# Allegro board TNR_REV00_150306.brd (continued)
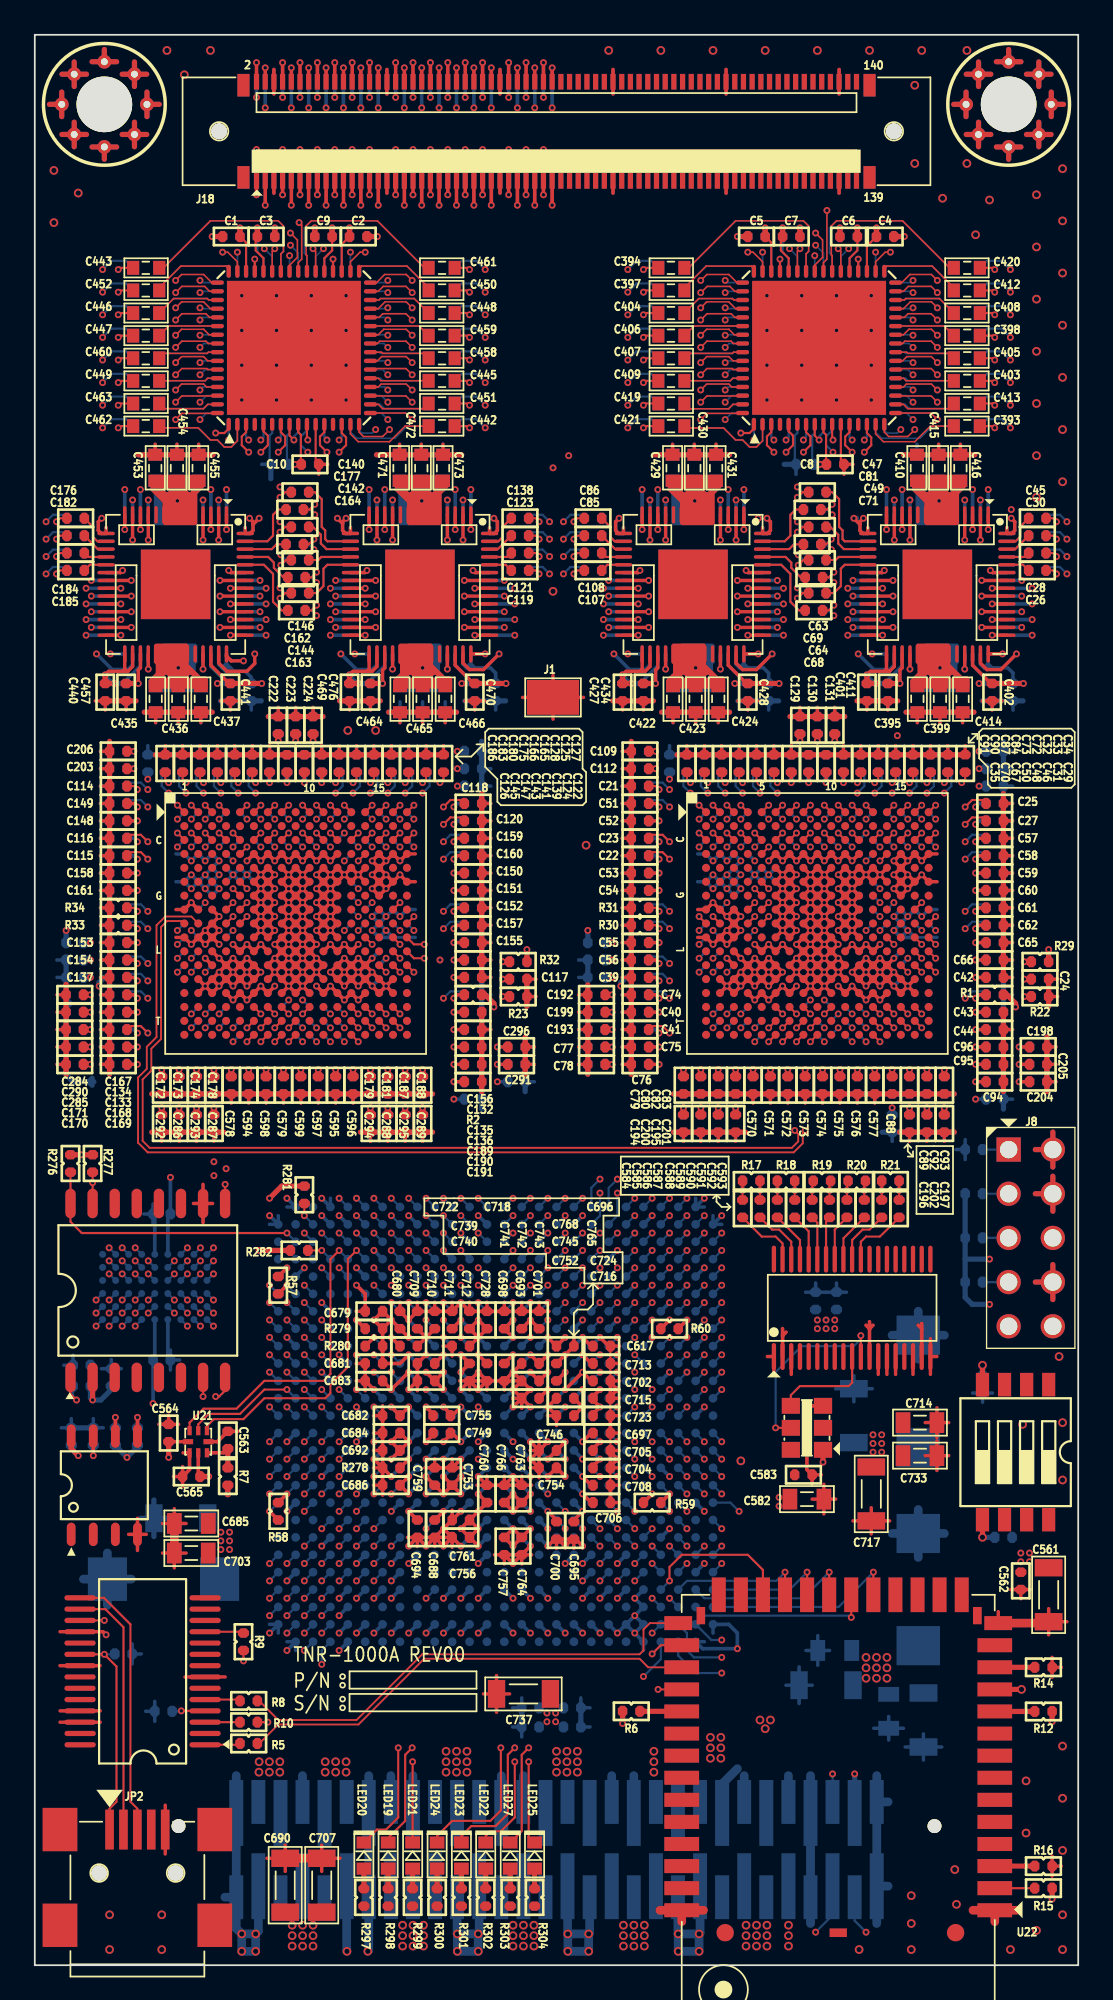
[diagram p0: board, top side]
## Routing (per net, layer and track width the routed paths; a pad name or vN(x,y) marks a point on that pad's centre or on a via; arc(x,y) is an arc through that point) (continued)
HV2_IN6_1: length 49.6
  TOP w0.2: U14.24 v1(34.7,78.28)
  4-IN w0.095: v1(34.7,78.28) 35.48,78.28 36.1,78.9 36.1,80.4 35.3,81.2 32.9,81.2 29.8,78.1 29.8,46.1 28,44.3 28,42.6 v1(27.5,42.1)
  BOTTOM w0.125: U88.C13 v1(27.5,42.1)
HV2_IN7_0: length 50.4
  TOP w0.2: U14.25 v1(35.3,77.83)
  8-IN w0.095: v1(35.5,41.1) 34.9,40.5 28.5,40.5 28,41 28,44.8 29.3,46.1 29.3,72.5 34.62,77.83 v1(35.3,77.83)
  BOTTOM w0.125: U88.D5 v1(35.5,41.1)
HV2_IN7_1: length 46.2
  TOP w0.2: U14.26 v1(34.7,77.38)
  8-IN w0.095: v1(34.5,41.1) 34.1,40.7 29.3,40.7 28.9,41.1 28.9,45.3 29.6,46 29.6,72.28 v1(34.7,77.38)
  BOTTOM w0.125: U88.D6 v1(34.5,41.1)
HV2_IN8_0: length 43.8
  TOP w0.2: 33.85,76.92 v1(35.3,76.92)
  8-IN w0.095: v1(35.3,76.92) 35.3,76 34.2,74.9 33.7,74.9 29.9,71.1 29.9,46.02 29.1,45.22 29.1,41.9 29.5,41.5 32.1,41.5 v1(32.5,41.1)
  BOTTOM w0.125: U88.D8 v1(32.5,41.1)
HV2_IN8_1: length 39.4
  TOP w0.2: U14.28 v1(34.7,76.47)
  4-IN w0.095: v1(31.5,41.1) 31,41.6 31,74 33,76 34.23,76 v1(34.7,76.47)
  BOTTOM w0.125: U88.D9 v1(31.5,41.1)
HV3_CK: length 39.4
  TOP w0.21: U16.42 v1(25.9,75.4)
  6-IN w0.095: v1(30.5,41.1) 30,41.6 29.4,41.6 29,42 29,73.8 26.9,75.9 26.4,75.9 v1(25.9,75.4)
  BOTTOM w0.125: U88.D10 v1(30.5,41.1)
HV3_CW: length 38.9
  TOP w0.2: v1(26.7,75.4) 25.8,74.5 25,74.5 24.62,74.88 U16.41
  6-IN w0.095: v1(28.5,41.1) 28.5,41.5 28,42 28,47.1 27.6,47.5 27.6,74.5 v1(26.7,75.4)
  BOTTOM w0.125: U88.D12 v1(28.5,41.1)
HV3_IN1_0: length 41.5
  TOP w0.2: U16.43 v1(25.3,76.47)
  9-IN w0.095: v1(32.5,40.1) 32.5,40.4 32,40.9 32,45.8 30.5,47.3 30.5,72.23 26.26,76.47 v1(25.3,76.47)
  BOTTOM w0.125: U88.E8 v1(32.5,40.1)
HV3_IN1_1: length 42
  TOP w0.2: 26.15,76.92 v1(24.7,76.92)
  9-IN w0.095: v1(31.5,40.1) 30.9,40.7 30.9,45.9 29.9,46.9 29.9,57.08 30.1,57.28 30.1,69.7 24.7,75.1 v1(24.7,76.92)
  BOTTOM w0.125: U88.E9 v1(31.5,40.1)
HV3_IN2_0: length 42.6
  TOP w0.2: U16.45 v1(25.3,77.38)
  9-IN w0.095: v1(25.3,77.38) 24.57,77.38 24.3,77.1 24.3,75.2 29.9,69.6 29.9,57.37 29.5,56.97 29.5,45.6 30.1,45 30.1,40.5 v1(30.5,40.1)
  BOTTOM w0.125: U88.E10 v1(30.5,40.1)
HV3_IN2_1: length 43.1
  TOP w0.2: U16.46 v1(24.7,77.83)
  9-IN w0.095: v1(24.7,77.83) 24.52,77.83 24.1,77.4 24.1,75.1 29.7,69.5 29.7,57.45 29.3,57.05 29.3,45.4 29.9,44.8 29.9,40.5 v1(29.5,40.1)
  BOTTOM w0.125: U88.E11 v1(29.5,40.1)
HV3_IN3_0: length 43.6
  TOP w0.2: U16.47 v1(25.3,78.28)
  9-IN w0.095: v1(25.3,78.28) 24.48,78.28 23.9,77.7 23.9,75 29.5,69.4 29.5,57.53 28.9,56.93 28.9,44.8 29,44.7 29,40.6 v1(28.5,40.1)
  BOTTOM w0.125: U88.E12 v1(28.5,40.1)
HV3_IN3_1: length 50.6
  TOP w0.2: 26.15,78.72 v1(24.7,78.72)
  9-IN w0.095: v1(33.5,39.1) 33.1,39.5 33.1,45.6 30.9,47.8 30.9,72.4 26.2,77.1 26.2,80.2 25.6,80.8 24.8,80.8 24.1,80.1 24.1,79.2 24.57,78.72 v1(24.7,78.72)
  BOTTOM w0.125: U88.F7 v1(33.5,39.1)
HV3_IN4_0: length 49.4
  TOP w0.2: U16.49 v1(25.3,79.17)
  9-IN w0.095: v1(25.3,79.17) 24.52,79.17 24.3,79.4 24.3,80 24.9,80.6 25.5,80.6 26,80.1 26,77.02 30.7,72.32 30.7,47.6 32.9,45.4 32.9,39.5 v1(32.5,39.1)
  BOTTOM w0.125: U88.F8 v1(32.5,39.1)
HV3_IN4_1: length 47.7
  TOP w0.2: U16.50 v1(24.7,79.62)
  9-IN w0.095: v1(31.5,39.1) 32,39.6 32,40.3 31.6,40.7 31.3,40.7 31.1,40.9 31.1,46.2 30.1,47.2 30.1,57 30.3,57.2 30.3,69.8 24.9,75.2 24.9,76.6 25.2,76.9 25.5,76.9 25.8,77.2 25.8,79.4 25.57,79.62 v1(24.7,79.62)
  BOTTOM w0.125: U88.F9 v1(31.5,39.1)
HV3_IN5_0: length 49.9
  TOP w0.2: U16.21 v1(19.6,79.62)
  9-IN w0.095: v1(30.5,39.1) 29.9,39.7 28.3,39.7 28.1,39.9 28.1,45.6 28.7,46.2 28.7,57.1 29.3,57.7 29.3,68.19 24.8,72.7 23.6,72.7 21.4,74.9 21.4,78 19.77,79.62 v1(19.6,79.62)
  BOTTOM w0.125: U88.F10 v1(30.5,39.1)
HV3_IN5_1: length 49.3
  TOP w0.2: U16.22 v1(19,79.17)
  9-IN w0.095: v1(29.5,39.1) 29.1,39.5 28.1,39.5 27.9,39.7 27.9,45.7 28.5,46.3 28.5,57.2 29.1,57.8 29.1,68.1 24.7,72.5 22.5,72.5 21.2,73.8 21.2,77.76 19.79,79.17 v1(19,79.17)
  BOTTOM w0.125: U88.F11 v1(29.5,39.1)
HV3_IN6_0: length 48.8
  TOP w0.2: 18.15,78.72 v1(19.6,78.72)
  9-IN w0.095: v1(19.6,78.72) 19.77,78.72 21,77.5 21,73.7 22.4,72.3 24.62,72.3 28.9,68.02 28.9,57.88 28.3,57.28 28.3,46.38 27,45.08 27,40 27.5,39.5 27.7,39.5 28.1,39.1 v1(28.5,39.1)
  BOTTOM w0.125: U88.F12 v1(28.5,39.1)
HV3_IN6_1: length 54.4
  TOP w0.2: U16.24 v1(19,78.28)
  9-IN w0.095: v1(33.5,38.1) 32.9,38.7 27.2,38.7 26.8,39.1 26.8,45.17 28.1,46.47 28.1,57.37 28.7,57.97 28.7,67.93 24.53,72.1 22.3,72.1 20.1,74.3 20.1,77.9 19.73,78.28 v1(19,78.28)
  BOTTOM w0.125: U88.G7 v1(33.5,38.1)
HV3_IN7_0: length 57.1
  TOP w0.2: U16.25 v1(19.6,77.83)
  9-IN w0.095: v1(19.6,77.83) 18.82,77.83 18.4,77.4 18.4,76.1 19,75.5 19,73.15 20.85,71.3 24.2,71.3 27.3,68.2 27.3,46.85 26,45.55 26,38.4 26.9,37.5 26.9,37 27.2,36.7 31.7,36.7 32,37 U88.G8 v1(32.5,38.1)
  BOTTOM w0.125: U88.G8 v1(32.5,38.1)
HV3_IN7_1: length 52.8
  TOP w0.2: U16.26 v1(19,77.38)
  9-IN w0.095: v1(31.5,38.1) 30.89,37.49 27.21,37.49 26.2,38.5 26.2,45.47 27.5,46.77 27.5,68.29 24.29,71.5 20.93,71.5 19.2,73.23 19.2,75.6 18.6,76.2 18.6,77.1 18.88,77.38 v1(19,77.38)
  BOTTOM w0.125: U88.G9 v1(31.5,38.1)
HV3_IN8_0: length 50.3
  TOP w0.2: 18.15,76.92 v1(19.6,76.92)
  9-IN w0.095: v1(19.6,76.92) 19.6,73.4 21.1,71.9 24.45,71.9 27.9,68.45 27.9,46.6 26.6,45.3 26.6,39 27.1,38.5 30.1,38.5 v1(30.5,38.1)
  BOTTOM w0.125: U88.G10 v1(30.5,38.1)
HV3_IN8_1: length 49.2
  TOP w0.2: U16.28 v1(19,76.47)
  9-IN w0.095: v1(29.5,38.1) 29.1,37.7 27.3,37.7 26.4,38.6 26.4,45.38 27.7,46.68 27.7,68.37 24.37,71.7 21.02,71.7 19.4,73.32 19.4,76.1 19.02,76.47 v1(19,76.47)
  BOTTOM w0.125: U88.G11 v1(29.5,38.1)
HV4_CK: length 60
  TOP w0.21: v1(12,75) 11.3,75 11.03,75.28 U15.42
  11-IN w0.095: v1(12,75) 11.85,74.85 11.85,73.45 10.2,71.8 6.7,71.8 4.6,69.7 4.6,43.4 2.9,41.7 2.9,36.7 3.4,36.2 10.7,36.2 13.1,38.6 15,38.6 v1(15.5,39.1)
  BOTTOM w0.125: U88.F24 v1(15.5,39.1)
HV4_CW: length 64
  TOP w0.2: v1(12.65,75.4) 12.65,74.85 12.2,74.4 11.05,74.4 10.57,74.88 U15.41
  11-IN w0.095: v1(15.5,38.1) 15,37.6 12.8,37.6 11.1,35.9 3.1,35.9 2.5,36.5 2.5,41.87 4.2,43.57 4.2,69.87 6.53,72.2 10,72.2 11.5,73.7 11.5,75.1 11.8,75.4 v1(12.65,75.4)
  BOTTOM w0.125: U88.G24 v1(15.5,38.1)
HV4_IN1_0: length 56.3
  TOP w0.2: U15.43 v1(11.25,76.47)
  4-IN w0.095: v1(14.5,38.1) 14.1,38.5 13.3,38.5 11.12,36.32 4.15,36.32 3.9,36.57 3.9,41.43 6.1,43.63 6.1,50.43 6.9,51.23 6.9,51.9 7.5,52.5 7.5,66.6 8.1,67.2 8.1,69 11.25,72.15 v1(11.25,76.47)
  BOTTOM w0.125: U88.G25 v1(14.5,38.1)
HV4_IN1_1: length 59.3
  TOP w0.2: 12.1,76.92 v1(10.65,76.92)
  4-IN w0.095: v1(15.5,37.1) 14.9,37.7 13,37.7 11.42,36.12 3.58,36.12 3.17,36.53 3.17,40.98 5.9,43.72 5.9,50.52 6.7,51.32 6.7,51.98 7.3,52.58 7.3,69 10.9,72.6 10.9,76 10.65,76.25 v1(10.65,76.92)
  BOTTOM w0.125: U88.H24 v1(15.5,37.1)
HV4_IN2_0: length 58.9
  TOP w0.2: U15.45 v1(11.25,77.38)
  4-IN w0.095: v1(11.25,77.38) 10.59,77.38 10.2,76.98 10.2,74 7.1,70.9 7.1,52.67 6.5,52.07 6.5,51.4 5.7,50.6 5.7,43.8 2.97,41.07 2.97,36.43 3.48,35.92 11.62,35.92 13.2,37.5 14.1,37.5 v1(14.5,37.1)
  BOTTOM w0.125: U88.H25 v1(14.5,37.1)
HV4_IN2_1: length 58.5
  TOP w0.2: U15.46 v1(10.65,77.83)
  4-IN w0.095: v1(13.5,37.1) 12.1,35.7 3.33,35.7 2.77,36.26 2.77,41.17 5.5,43.9 5.5,50.7 6.3,51.5 6.3,52.15 6.9,52.75 6.9,71.2 8.1,72.4 8.1,73.9 9.9,75.7 9.9,77.08 v1(10.65,77.83)
  BOTTOM w0.125: U88.H26 v1(13.5,37.1)
HV4_IN3_0: length 59.2
  TOP w0.2: U15.47 v1(11.25,78.28)
  4-IN w0.095: v1(11.25,78.28) 10.47,78.28 7.1,74.9 7.1,71.9 5.3,70.1 5.3,43.98 2.57,41.25 2.57,36.18 3.25,35.5 12.7,35.5 13.3,36.1 v1(13.5,36.1)
  BOTTOM w0.125: U88.J26 v1(13.5,36.1)
HV4_IN3_1: length 61.2
  TOP w0.2: 12.1,78.72 v1(10.65,78.72)
  4-IN w0.095: v1(10.65,78.72) 10.36,78.72 6.9,75.26 6.9,72.2 5.1,70.4 5.1,44.07 2.37,41.33 2.37,36.1 3.17,35.3 13,35.3 13.3,35.6 14,35.6 v1(14.5,35.1)
  BOTTOM w0.125: U88.K25 v1(14.5,35.1)
HV4_IN4_0: length 60.8
  TOP w0.2: U15.49 v1(11.25,79.17)
  4-IN w0.095: v1(11.25,79.17) 10.18,79.17 5.5,74.5 5.5,71.4 4.9,70.8 4.9,44.15 2.17,41.42 2.17,36.02 3.08,35.1 v1(13.5,35.1)
  BOTTOM w0.125: U88.K26 v1(13.5,35.1)
HV4_IN4_1: length 64.1
  TOP w0.2: U15.50 v1(10.65,79.62)
  4-IN w0.095: v1(10.65,79.62) 9.99,79.62 5.05,74.69 5.05,71.4 4.7,71.05 4.7,44.3 1.97,41.57 1.97,35.93 3,34.9 12.8,34.9 13.1,34.6 15,34.6 v1(15.5,34.1)
  BOTTOM w0.125: U88.L24 v1(15.5,34.1)
HV4_IN5_0: length 55.8
  TOP w0.2: U15.21 v1(5.55,79.62)
  9-IN w0.095: v1(14.5,34.1) 14.1,34.5 10.1,34.5 7.6,37 7.6,43.3 5.5,45.4 5.5,63.4 4.3,64.6 4.3,71.85 5.55,73.1 5.55,74.3 6.6,75.35 6.6,78.78 5.75,79.62 v1(5.55,79.62)
  BOTTOM w0.125: U88.L25 v1(14.5,34.1)
HV4_IN5_1: length 54.5
  TOP w0.2: U15.22 v1(4.95,79.17)
  9-IN w0.095: v1(13.5,34.1) 13.3,34.3 10.02,34.3 7.4,36.92 7.4,43.22 5.3,45.32 5.3,63.32 4.1,64.52 4.1,71.93 5.35,73.18 5.35,74.38 6.4,75.43 6.4,78.58 5.81,79.17 v1(4.95,79.17)
  BOTTOM w0.125: U88.L26 v1(13.5,34.1)
HV4_IN6_0: length 57.6
  TOP w0.2: 4.1,78.72 v1(5.55,78.72)
  9-IN w0.095: v1(16.5,33.1) 15.9,33.7 12.98,33.7 12.58,34.1 9.93,34.1 7.2,36.83 7.2,43.13 5.1,45.23 5.1,63.23 3.9,64.43 3.9,72.02 5.15,73.27 5.15,74.47 6.2,75.52 6.2,78.28 5.75,78.72 v1(5.55,78.72)
  BOTTOM w0.125: U88.M23 v1(16.5,33.1)
HV4_IN6_1: length 56.3
  TOP w0.2: U15.24 v1(4.95,78.28)
  9-IN w0.095: v1(4.95,78.28) 5.72,78.28 6,78 6,75.6 4.95,74.55 4.95,73.35 3.7,72.1 3.7,64.35 4.9,63.15 4.9,45.15 7,43.05 7,36.75 9.85,33.9 12.5,33.9 12.9,33.5 15.1,33.5 v1(15.5,33.1)
  BOTTOM w0.125: U88.M24 v1(15.5,33.1)
HV4_IN7_0: length 63.5
  TOP w0.2: U15.25 v1(5.55,77.83)
  9-IN w0.095: v1(16.5,30.1) 15.5,31.1 6.9,31.1 2.5,35.5 2.5,41.25 4.1,42.85 4.1,62.82 2.9,64.02 2.9,75.7 4,76.8 4,77.1 4.72,77.83 v1(5.55,77.83)
  BOTTOM w0.125: U88.P23 v1(16.5,30.1)
HV4_IN7_1: length 63.2
  TOP w0.2: U15.26 v1(4.95,77.38)
  9-IN w0.095: v1(17.5,29.1) 17,29.6 17,30.3 16,31.3 6.98,31.3 2.7,35.58 2.7,41.17 4.3,42.77 4.3,62.9 3.1,64.1 3.1,75.6 4.88,77.38 v1(4.95,77.38)
  BOTTOM w0.125: U88.R22 v1(17.5,29.1)
HV4_IN8_0: length 59.2
  TOP w0.2: 4.1,76.92 v1(5.55,76.92)
  9-IN w0.095: v1(5.55,76.92) 5.55,75.55 4.6,74.6 3.9,74.6 3.5,74.2 3.5,64.27 4.7,63.07 4.7,42.6 3.1,41 3.1,36.5 6.2,33.4 12.08,33.4 12.78,32.7 14.9,32.7 v1(15.5,32.1)
  BOTTOM w0.125: U88.N24 v1(15.5,32.1)
HV4_IN8_1: length 57.2
  TOP w0.2: U15.28 v1(4.95,76.47)
  9-IN w0.095: v1(14.5,32.1) 14.1,32.5 12.7,32.5 12,33.2 6.12,33.2 2.9,36.42 2.9,41.08 4.5,42.68 4.5,62.99 3.3,64.19 3.3,74.28 3.82,74.8 4.4,74.8 4.95,75.35 v1(4.95,76.47)
  BOTTOM w0.125: U88.N25 v1(14.5,32.1)
HV5_CK: length 55.4
  11-IN w0.095: v1(13.5,32.1) 10.5,35.1 2.6,35.1 1.7,36 1.7,47.6 2.5,48.4 2.5,58.8 3.6,59.9 3.6,74.65 v1(4.35,75.4)
  BOTTOM w0.125: U88.N26 v1(13.5,32.1)
  BOTTOM w0.2: U18.42 v1(4.35,75.4)
HV5_CW: length 59.2
  11-IN w0.095: v1(3.55,75.4) 3.2,75.05 3.2,60.1 2.1,59 2.1,48.57 1.3,47.77 1.3,35.9 2.6,34.6 9.4,34.6 13.5,30.5 v1(13.5,30.1)
  BOTTOM w0.125: U88.P26 v1(13.5,30.1)
  BOTTOM w0.2: v1(3.55,75.4) 4.45,74.5 5.35,74.5 5.62,74.78 U18.41
HV5_IN1_0: length 62.7
  9-IN w0.095: v1(16.5,29.1) 15.9,29.7 9.2,29.7 8.6,30.3 3.3,30.3 2,31.6 2,46.9 2.8,47.7 2.8,62.7 2.7,62.8 2.7,76.22 v1(2.95,76.47)
  BOTTOM w0.125: U88.R23 v1(16.5,29.1)
  BOTTOM w0.21: U18.43 v1(2.95,76.47)
HV5_IN1_1: length 61.6
  9-IN w0.095: v1(3.25,76.92) 2.83,76.92 2.5,76.6 2.5,62.72 2.6,62.62 2.6,47.78 1.8,46.98 1.8,31.52 3.22,30.1 8.5,30.1 9.1,29.5 14.1,29.5 v1(14.5,29.1)
  BOTTOM w0.125: U88.R25 v1(14.5,29.1)
  BOTTOM w0.21: 4.1,76.92 v1(3.25,76.92)
HV5_IN2_0: length 61.3
  9-IN w0.095: v1(13.5,29.1) 13.3,29.3 9,29.3 8.4,29.9 3.13,29.9 1.6,31.43 1.6,47.07 2.4,47.87 2.4,62.53 2.3,62.63 2.3,76.72 v1(2.95,77.38)
  BOTTOM w0.125: U88.R26 v1(13.5,29.1)
  BOTTOM w0.21: U18.45 v1(2.95,77.38)
HV5_IN2_1: length 66.6
  9-IN w0.095: v1(3.25,77.83) 2.72,77.83 2.1,77.2 2.1,62.55 2.2,62.45 2.2,48 1.4,47.2 1.4,31.35 3.05,29.7 8.3,29.7 9.4,28.6 17,28.6 v1(17.5,28.1)
  BOTTOM w0.125: U88.T22 v1(17.5,28.1)
  BOTTOM w0.21: U18.46 v1(3.25,77.83)
HV5_IN3_0: length 64.5
  9-IN w0.095: v1(2.95,78.28) 2.67,78.28 1.9,77.5 1.9,63.2 1.2,62.5 1.2,29.87 2.37,28.7 8.65,28.7 9.65,27.7 13.1,27.7 v1(13.5,28.1)
  BOTTOM w0.125: U88.T26 v1(13.5,28.1)
  BOTTOM w0.21: U18.47 v1(2.95,78.28)
HV5_IN3_1: length 65.4
  9-IN w0.095: v1(3.25,78.72) 2.72,78.72 1.7,77.7 1.7,63.28 1,62.58 1,29.79 2.29,28.5 8.57,28.5 9.57,27.5 13.1,27.5 v1(13.5,27.1)
  BOTTOM w0.125: U88.U26 v1(13.5,27.1)
  BOTTOM w0.21: 4.1,78.72 v1(3.25,78.72)
HV5_IN4_0: length 72.2
  9-IN w0.095: v1(2.95,79.17) 2.67,79.17 1.5,78 1.5,63.37 0.8,62.67 0.8,29.7 2.2,28.3 8.48,28.3 10.08,26.7 12.1,26.7 13.1,25.7 16.4,25.7 17.2,26.5 18.1,26.5 v1(18.5,26.1)
  BOTTOM w0.125: U88.V21 v1(18.5,26.1)
  BOTTOM w0.21: U18.49 v1(2.95,79.17)
HV5_IN4_1: length 71.8
  9-IN w0.095: v1(17.5,26.1) 16.9,25.5 12.96,25.5 11.96,26.5 10,26.5 8.4,28.1 2.12,28.1 0.6,29.62 0.6,62.75 1.3,63.45 1.3,78.2 2.72,79.62 v1(3.25,79.62)
  BOTTOM w0.125: U88.V22 v1(17.5,26.1)
  BOTTOM w0.21: U18.50 v1(3.25,79.62)
HV5_IN5_0: length 85.6
  4-IN w0.095: v1(12.95,79.62) 11.18,79.62 10.7,80.1 7,80.1 6.1,79.2 6.1,76.3 4.6,74.8 3.6,74.8 3.1,74.3 3.1,60.6 4.5,59.2 4.5,49.2 1.77,46.47 1.77,29.33 4.4,26.7 12.3,26.7 13.3,25.7 15.7,25.7 16.6,26.6 19.3,26.6 20.8,25.1 v1(22.5,25.1)
  BOTTOM w0.125: U88.W17 v1(22.5,25.1)
  BOTTOM w0.21: U18.21 v1(12.95,79.62)
HV5_IN5_1: length 85.2
  4-IN w0.095: v1(13.3,79.17) 13.4,79.28 13.4,79.8 12.6,80.6 4.7,80.6 4.2,80.1 4.2,76.7 2.9,75.4 2.9,60.52 4.3,59.12 4.3,49.28 1.57,46.55 1.57,29.25 4.32,26.5 12.2,26.5 13.2,25.5 15.9,25.5 16.1,25.7 18.9,25.7 v1(19.5,25.1)
  BOTTOM w0.125: U88.W20 v1(19.5,25.1)
  BOTTOM w0.21: U18.22 v1(13.3,79.17)
HV5_IN6_0: length 86
  4-IN w0.095: v1(18.5,25.1) 18.1,25.5 16.3,25.5 16.1,25.3 13.12,25.3 12.12,26.3 4.23,26.3 1.37,29.17 1.37,46.63 4.1,49.37 4.1,59.03 2.7,60.43 2.7,75.6 3.9,76.8 3.9,80.2 4.5,80.8 12.8,80.8 13.7,79.9 13.7,79 13.43,78.72 v1(12.95,78.72)
  BOTTOM w0.125: U88.W21 v1(18.5,25.1)
  BOTTOM w0.21: 12.1,78.72 v1(12.95,78.72)
HV5_IN6_1: length 88.2
  4-IN w0.095: v1(18.5,24.1) 17.9,24.7 13.4,24.7 12,26.1 4.15,26.1 1.17,29.08 1.17,46.72 2.8,48.35 2.8,60 2.5,60.3 2.5,79.47 4.03,81 13.1,81 14.5,79.6 14.5,78.4 14.3,78.2 13.38,78.2 v1(13.3,78.28)
  BOTTOM w0.125: U88.Y21 v1(18.5,24.1)
  BOTTOM w0.21: U18.24 v1(13.3,78.28)
HV5_IN7_0: length 89.6
  4-IN w0.095: v1(12.95,77.83) 14.32,77.83 14.7,78.2 14.7,81.1 14.31,81.49 13.69,81.49 13.4,81.2 3.95,81.2 2.3,79.55 2.3,60.22 2.6,59.92 2.6,48.43 0.97,46.8 0.97,29 4.07,25.9 11.92,25.9 13.32,24.5 17.1,24.5 v1(17.5,24.1)
  BOTTOM w0.125: U88.Y22 v1(17.5,24.1)
  BOTTOM w0.21: U18.25 v1(12.95,77.83)
HV5_IN7_1: length 89.1
  4-IN w0.095: v1(13.3,77.38) 14.28,77.38 14.9,78 14.9,81.2 14.4,81.7 13.6,81.7 13.3,81.4 3.87,81.4 2.1,79.63 2.1,60.13 2.4,59.83 2.4,48.51 0.77,46.88 0.77,28.92 3.99,25.7 11.8,25.7 13.4,24.1 v1(15.5,24.1)
  BOTTOM w0.125: U88.Y24 v1(15.5,24.1)
  BOTTOM w0.21: U18.26 v1(13.3,77.38)
HV5_IN8_0: length 97.1
  4-IN w0.095: v1(12.95,76.92) 14.22,76.92 15.1,77.8 15.1,82.54 14.04,83.6 12,83.6 11.4,83 5.1,83 1.9,79.8 1.9,60.05 2.2,59.75 2.2,48.6 0.57,46.96 0.57,28.84 3.9,25.5 11.72,25.5 13.52,23.7 18.9,23.7 v1(19.5,23.1)
  BOTTOM w0.125: U88.AA20 v1(19.5,23.1)
  BOTTOM w0.21: 12.1,76.92 v1(12.95,76.92)
HV5_IN8_1: length 96.8
  4-IN w0.095: v1(13.3,76.47) 14.18,76.47 15.3,77.6 15.3,82.7 14.2,83.8 11.92,83.8 11.32,83.2 5.02,83.2 1.7,79.88 1.7,60.1 1.4,59.8 1.4,59.2 2,58.6 2,48.68 0.37,47.05 0.37,28.75 3.82,25.3 11.63,25.3 13.43,23.5 17.1,23.5 v1(17.5,23.1)
  BOTTOM w0.125: U88.AA22 v1(17.5,23.1)
  BOTTOM w0.21: U18.28 v1(13.3,76.47)
HV6_CK: length 78.9
  11-IN w0.095: v1(18.4,75.4) 18,75 13.8,75 13,75.8 3.3,75.8 2.8,75.3 2.8,61.6 0.9,59.7 0.9,35.7 2.5,34.1 6.7,34.1 12.6,28.2 12.6,25 v1(14.5,23.1)
  BOTTOM w0.125: U88.AA25 v1(14.5,23.1)
  BOTTOM w0.2: U17.42 v1(18.4,75.4)
HV6_CW: length 80.6
  11-IN w0.095: v1(13.5,23.1) 12.2,24.4 12.2,28.03 6.53,33.7 2.33,33.7 0.5,35.53 0.5,59.83 2.4,61.73 2.4,75.32 3.18,76.1 13.1,76.1 13.8,75.4 v1(17.6,75.4)
  BOTTOM w0.125: U88.AA26 v1(13.5,23.1)
  BOTTOM w0.2: 19.68,75.4 19.68,74.78 19.4,74.5 18.5,74.5 v1(17.6,75.4)
HV6_IN1_0: length 78.2
  12-IN w0.095: v1(19.5,22.1) 19,22.6 19,25.2 18.6,25.6 13.35,25.6 13.02,25.93 13.02,28.58 7.2,34.4 4.2,34.4 3,35.6 3,40.9 5.3,43.2 5.3,70 6.2,70.9 13.9,70.9 16.3,73.3 16.3,75.78 v1(17,76.47)
  BOTTOM w0.125: U88.AB20 v1(19.5,22.1)
  BOTTOM w0.21: U17.43 v1(17,76.47)
HV6_IN1_1: length 77.6
  12-IN w0.095: v1(17.3,76.92) 16.93,76.92 16,76 16,73.42 13.78,71.2 6.08,71.2 5,70.12 5,43.35 2.68,41.03 2.68,35.47 4.07,34.08 7.07,34.08 12.7,28.45 12.7,25.8 13.9,24.6 17.6,24.6 18,24.2 18,22.6 v1(18.5,22.1)
  BOTTOM w0.125: U88.AB21 v1(18.5,22.1)
  BOTTOM w0.21: 18.15,76.92 v1(17.3,76.92)
HV6_IN2_0: length 76.9
  12-IN w0.095: v1(17,77.38) 15.7,76.08 15.7,73.55 13.65,71.5 5.95,71.5 4.7,70.25 4.7,43.48 2.38,41.16 2.38,35.34 3.94,33.78 6.94,33.78 12.4,28.32 12.4,25.7 14.5,23.6 16.6,23.6 17,23.2 17,22.6 v1(17.5,22.1)
  BOTTOM w0.125: U88.AB22 v1(17.5,22.1)
  BOTTOM w0.21: U17.45 v1(17,77.38)
HV6_IN2_1: length 77.7
  12-IN w0.095: v1(17.3,77.83) 16.73,77.83 16.6,77.7 16.6,77.4 15.4,76.2 15.4,73.67 13.53,71.8 5.83,71.8 4.4,70.37 4.4,43.6 2.08,41.28 2.08,35.22 3.82,33.48 6.82,33.48 12.1,28.2 12.1,23.9 13.3,22.7 15.9,22.7 v1(16.5,22.1)
  BOTTOM w0.125: U88.AB23 v1(16.5,22.1)
  BOTTOM w0.21: U17.46 v1(17.3,77.83)
HV6_IN3_0: length 78.6
  12-IN w0.095: v1(15.5,22.1) 15.1,22.5 13,22.5 11.8,23.7 11.8,28.08 6.7,33.18 3.69,33.18 1.78,35.09 1.78,41.41 4.1,43.72 4.1,70.5 5.7,72.1 13.4,72.1 15.1,73.8 15.1,77.7 16,78.6 16.68,78.6 v1(17,78.28)
  BOTTOM w0.125: U88.AB24 v1(15.5,22.1)
  BOTTOM w0.21: U17.47 v1(17,78.28)
HV6_IN3_1: length 78.7
  12-IN w0.095: v1(17.3,78.72) 17.23,78.8 15.8,78.8 14.8,77.8 14.8,73.92 13.28,72.4 5.58,72.4 3.8,70.62 3.8,60.8 2.8,59.8 2.8,51.5 3.8,50.5 3.8,46.1 1.5,43.8 1.5,29.5 8.9,22.1 v1(13.5,22.1)
  BOTTOM w0.125: U88.AB26 v1(13.5,22.1)
  BOTTOM w0.21: 18.15,78.72 v1(17.3,78.72)
HV6_IN4_0: length 83
  12-IN w0.095: v1(16.5,21.1) 16,21.6 8.98,21.6 1.2,29.38 1.2,43.92 3.5,46.22 3.5,50.38 2.5,51.38 2.5,59.92 3.5,60.92 3.5,70.75 5.45,72.7 13.15,72.7 14.5,74.05 14.5,77.9 15.7,79.1 16.93,79.1 v1(17,79.17)
  BOTTOM w0.125: U88.AC23 v1(16.5,21.1)
  BOTTOM w0.21: U17.49 v1(17,79.17)
HV6_IN4_1: length 84.5
  12-IN w0.095: v1(15.5,21.1) 15,20.6 9.55,20.6 0.9,29.25 0.9,44.05 3.2,46.35 3.2,47 3.2,50.25 2.2,51.25 2.2,60.05 3.2,61.05 3.2,70.87 5.33,73 13.03,73 14.2,74.17 14.2,78 15.6,79.4 15.6,80.1 16,80.5 16.43,80.5 v1(17.3,79.62)
  BOTTOM w0.125: U88.AC24 v1(15.5,21.1)
  BOTTOM w0.21: U17.50 v1(17.3,79.62)
HV6_IN5_0: length 69.2
  4-IN w0.095: v1(14.5,21.1) 15.1,21.7 21.2,21.7 23,23.5 23,44.3 25,46.3 25,75.6 25.73,76.33 25.73,78.93 26.43,79.62 v1(27,79.62)
  BOTTOM w0.125: U88.AC25 v1(14.5,21.1)
  BOTTOM w0.21: U17.21 v1(27,79.62)
HV6_IN5_1: length 71.9
  4-IN w0.095: v1(13.5,21.1) 14,20.6 14.6,20.6 15,21 15,21.2 15.3,21.5 21.7,21.5 24,23.8 24,44.5 25.3,45.8 25.3,75.5 26,76.2 26,78.9 26.27,79.17 v1(27.6,79.17)
  BOTTOM w0.125: U88.AC26 v1(13.5,21.1)
  BOTTOM w0.21: U17.22 v1(27.6,79.17)
HV6_IN6_0: length 67.6
  4-IN w0.095: v1(27,78.72) 26.62,78.72 26.2,78.3 26.2,75.8 26.3,75.7 26.3,75.1 25.6,74.4 25.6,45 25,44.4 25,23.8 23.2,22 22.7,22 21.3,20.6 U88.AD23 v1(16.5,20.1)
  BOTTOM w0.125: U88.AD23 v1(16.5,20.1)
  BOTTOM w0.21: 26.15,78.72 v1(27,78.72)
HV6_IN6_1: length 72.8
  4-IN w0.095: v1(15.5,20.1) 15.9,19.7 24.8,19.7 25.9,20.8 25.9,49.2 27.5,50.8 27.5,75.2 26.4,76.3 26.4,77.9 26.77,78.28 v1(27.6,78.28)
  BOTTOM w0.125: U88.AD24 v1(15.5,20.1)
  BOTTOM w0.21: U17.24 v1(27.6,78.28)
HV6_IN7_0: length 72.5
  4-IN w0.095: v1(14.5,20.1) 14.7,20.1 15.3,19.5 25.03,19.5 26.2,20.67 26.2,49 27.8,50.6 27.8,75.3 26.6,76.5 26.6,77.5 26.93,77.83 v1(27,77.83)
  BOTTOM w0.125: U88.AD25 v1(14.5,20.1)
  BOTTOM w0.21: U17.25 v1(27,77.83)
HV6_IN7_1: length 77.9
  4-IN w0.095: v1(27.6,77.38) 29.3,75.67 29.3,50.6 27.1,48.4 27.1,19.2 25.6,17.7 15.3,17.7 15,18 15,19.3 14.7,19.6 14,19.6 v1(13.5,20.1)
  BOTTOM w0.125: U88.AD26 v1(13.5,20.1)
  BOTTOM w0.21: U17.26 v1(27.6,77.38)
HV6_IN8_0: length 71.1
  4-IN w0.095: v1(16.5,19.1) 16.9,18.7 25.75,18.7 26.5,19.45 26.5,48.8 28.7,51 28.7,74.8 27,76.5 v1(27,76.92)
  BOTTOM w0.125: U88.AE23 v1(16.5,19.1)
  BOTTOM w0.21: 26.15,76.92 v1(27,76.92)
HV6_IN8_1: length 72.7
  4-IN w0.095: v1(15.5,19.1) 16.1,18.5 25.98,18.5 26.8,19.32 26.8,48.6 29,50.8 29,75.08 v1(27.6,76.47)
  BOTTOM w0.125: U88.AE24 v1(15.5,19.1)
  BOTTOM w0.21: U17.28 v1(27.6,76.47)
HV7_CK: length 79.6
  4-IN w0.095: v1(14.5,19.1) 14,18.6 14,17.9 15.5,16.4 28.55,16.4 31,18.85 31,39.3 31.3,39.6 31.7,39.6 32.1,40 32.1,45.5 32.2,45.6 32.2,58.8 32.7,59.3 32.7,74 v1(34.1,75.4)
  BOTTOM w0.125: U88.AE25 v1(14.5,19.1)
  BOTTOM w0.2: 34.92,75.4 v1(34.1,75.4)
HV7_CW: length 78.1
  4-IN w0.095: v1(16.5,17.3) 17,16.8 27.95,16.8 30,18.85 30,40.3 30.3,40.6 31.7,40.6 31.9,40.8 31.9,44.5 31.8,44.6 31.8,58.9 32.3,59.4 32.3,74.4 v1(33.3,75.4)
  BOTTOM w0.125: U88.AF23 16.5,18.1 v1(16.5,17.3)
  BOTTOM w0.2: U19.41 35.38,74.78 35.1,74.5 34.2,74.5 v1(33.3,75.4)
HV7_IN1_0: length 81.5
  11-IN w0.095: v1(32.7,76.47) 33.38,76.47 33.6,76.7 33.6,79.8 33.2,80.2 32.5,80.2 28.9,76.6 28.9,50.1 25,46.2 25,18.9 24.7,18.6 U88.AF24 v1(15.5,18.1)
  BOTTOM w0.125: U88.AF24 v1(15.5,18.1)
  BOTTOM w0.21: U19.43 v1(32.7,76.47)
HV7_IN1_1: length 60.1
  11-IN w0.095: v1(37.5,32.1) 36.9,31.5 27.5,31.5 27.1,31.9 27.1,45.5 31,49.4 31,75.4 32.52,76.92 v1(33,76.92)
  BOTTOM w0.125: U88.N3 v1(37.5,32.1)
  BOTTOM w0.21: 33.85,76.92 v1(33,76.92)
HV7_IN2_0: length 63.3
  11-IN w0.095: v1(39.5,30.1) 38.3,31.3 27.42,31.3 26.9,31.82 26.9,45.7 30.7,49.5 30.7,75.6 32.48,77.38 v1(32.7,77.38)
  BOTTOM w0.125: U88.P1 v1(39.5,30.1)
  BOTTOM w0.21: U19.45 v1(32.7,77.38)
HV7_IN2_1: length 63
  11-IN w0.095: v1(38.5,30.1) 37.5,31.1 27.33,31.1 26.7,31.73 26.7,45.9 30.4,49.6 30.4,75.7 32.52,77.83 v1(33,77.83)
  BOTTOM w0.125: U88.P2 v1(38.5,30.1)
  BOTTOM w0.21: U19.46 v1(33,77.83)
HV7_IN3_0: length 62.8
  11-IN w0.095: v1(37.5,30.1) 36.7,30.9 27.25,30.9 26.5,31.65 26.5,46.1 30.1,49.7 30.1,75.9 32.48,78.28 v1(32.7,78.28)
  BOTTOM w0.125: U88.P3 v1(37.5,30.1)
  BOTTOM w0.21: U19.47 v1(32.7,78.28)
HV7_IN3_1: length 62.6
  11-IN w0.095: v1(33,78.72) 32.42,78.72 29.8,76.1 29.8,49.8 26.3,46.3 26.3,31.57 27.17,30.7 35.9,30.7 v1(36.5,30.1)
  BOTTOM w0.125: U88.P4 v1(36.5,30.1)
  BOTTOM w0.21: 33.85,78.72 v1(33,78.72)
HV7_IN4_0: length 65.2
  11-IN w0.095: v1(32.7,79.17) 32.38,79.17 29.5,76.3 29.5,49.9 26.1,46.5 26.1,30.89 27.29,29.7 36.9,29.7 v1(37.5,29.1)
  BOTTOM w0.125: U88.R3 v1(37.5,29.1)
  BOTTOM w0.21: U19.49 v1(32.7,79.17)
HV7_IN4_1: length 65
  11-IN w0.095: v1(36.5,29.1) 36.1,29.5 27.2,29.5 25.9,30.8 25.9,46.7 29.2,50 29.2,76.5 32.33,79.62 v1(33,79.62)
  BOTTOM w0.125: U88.R4 v1(36.5,29.1)
  BOTTOM w0.21: U19.50 v1(33,79.62)
HV7_IN5_0: length 77.9
  12-IN w0.095: v1(38.5,28.1) 38.9,28.5 48.85,28.5 50.15,29.8 50.15,45.25 54.6,49.7 54.6,55.98 54.9,56.28 54.9,69.9 53.6,71.2 44.2,71.2 40.9,74.5 40.9,75.8 41.4,76.3 41.4,78.5 42.52,79.62 v1(42.7,79.62)
  BOTTOM w0.125: U88.T2 v1(38.5,28.1)
  BOTTOM w0.21: U19.21 v1(42.7,79.62)
HV7_IN5_1: length 79.6
  12-IN w0.095: v1(43.05,79.17) 42.58,79.17 41.6,78.2 41.6,76.2 41.2,75.8 41.2,74.6 44.3,71.5 53.7,71.5 55.1,70.1 55.1,56.2 54.8,55.9 54.8,49.5 50.45,45.15 50.45,29.7 49.05,28.3 40.7,28.3 40.1,27.7 37.9,27.7 v1(37.5,28.1)
  BOTTOM w0.125: U88.T3 v1(37.5,28.1)
  BOTTOM w0.21: U19.22 v1(43.05,79.17)
HV7_IN6_0: length 76.2
  12-IN w0.095: v1(38.5,27.1) 38.9,27.5 40.19,27.5 40.79,28.1 49.25,28.1 50.75,29.6 50.75,45.05 55,49.3 55,55.81 55.3,56.11 55.3,70.3 53.8,71.8 46.51,71.8 43.3,75.01 43.3,75.02 41.8,76.52 41.8,78 42.52,78.72 v1(42.7,78.72)
  BOTTOM w0.125: U88.U2 v1(38.5,27.1)
  BOTTOM w0.21: 41.85,78.72 v1(42.7,78.72)
HV7_IN6_1: length 78.1
  12-IN w0.095: v1(43.05,78.28) 42.48,78.28 42,77.8 42,76.6 43.51,75.09 43.51,75.09 46.6,72 54,72 55.5,70.5 55.5,56.03 55.2,55.73 55.2,49.1 51.05,44.95 51.05,29.5 49.45,27.9 40.87,27.9 39.67,26.7 37.9,26.7 v1(37.5,27.1)
  BOTTOM w0.125: U88.U3 v1(37.5,27.1)
  BOTTOM w0.21: U19.24 v1(43.05,78.28)
HV7_IN7_0: length 75.8
  12-IN w0.095: v1(40.5,26.1) 40.6,26 49.15,26 52.25,29.1 52.25,44.55 56,48.3 56,55.4 56.3,55.7 56.3,71.2 54.3,73.2 47.8,73.2 43.17,77.83 v1(42.7,77.83)
  BOTTOM w0.125: U88.V1 40,26.6 v1(40.5,26.1)
  BOTTOM w0.21: U19.25 v1(42.7,77.83)
HV7_IN7_1: length 84.6
  12-IN w0.095: v1(43.05,77.38) 42.51,77.38 42.2,77.06 42.2,76.7 43.7,75.2 43.7,75.18 46.58,72.3 54.1,72.3 55.7,70.7 55.7,55.95 55.4,55.65 55.4,48.9 51.35,44.85 51.35,29.4 49.65,27.7 40.95,27.7 39.75,26.5 30.9,26.5 v1(30.5,26.1)
  BOTTOM w0.125: U88.V10 v1(30.5,26.1)
  BOTTOM w0.21: U19.26 v1(43.05,77.38)
HV7_IN8_0: length 77.1
  12-IN w0.095: v1(42.7,76.92) 43.17,76.92 47.2,72.9 54.22,72.9 56.1,71.02 56.1,55.78 55.8,55.48 55.8,48.5 51.95,44.65 51.95,29.2 50.05,27.3 41.12,27.3 39.32,25.5 37.9,25.5 v1(37.5,25.1)
  BOTTOM w0.125: U88.W3 v1(37.5,25.1)
  BOTTOM w0.21: 41.85,76.92 v1(42.7,76.92)
HV7_IN8_1: length 79.3
  12-IN w0.095: v1(43.05,76.47) 46.92,72.6 54.2,72.6 55.9,70.9 55.9,55.87 55.6,55.57 55.6,48.7 51.65,44.75 51.65,29.3 49.85,27.5 41.03,27.5 39.23,25.7 35.1,25.7 v1(34.5,25.1)